# Altium PCB Ethernet2Mil_Adapter_Dual.PcbDoc (part 2 of 5) (continued)
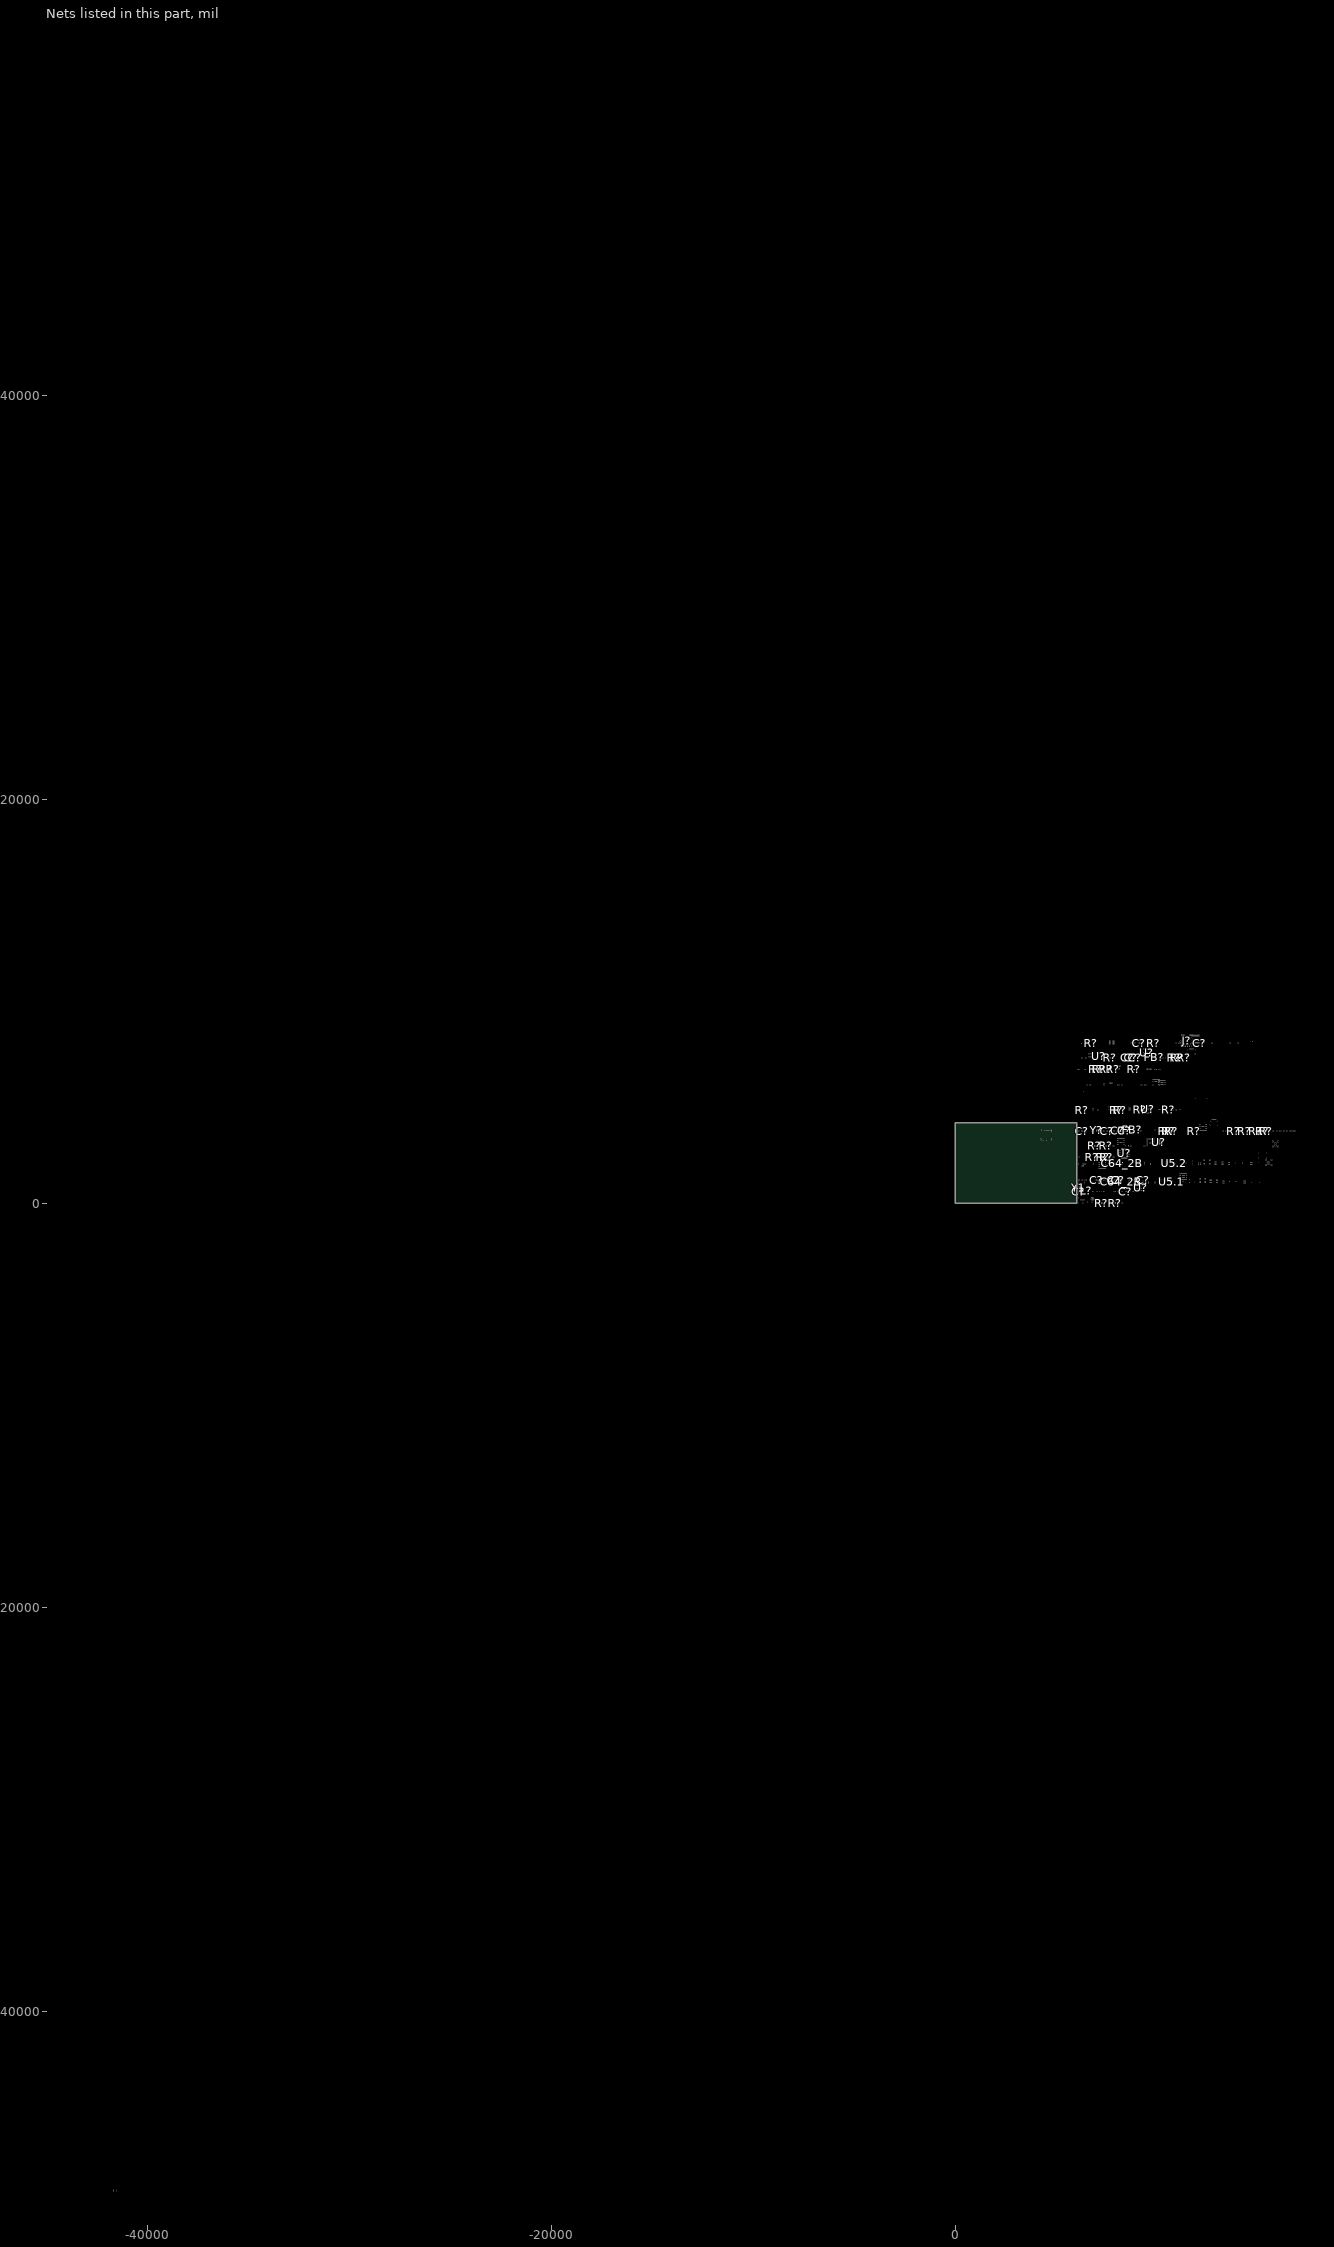
[diagram p2: the nets of this part, all layers, seen from the top]
## Part data (continued)
FB? FB?: library part CMP-08257-000179-1, "Power line Ferrite Bead 600Ω @ 100MHz 1A DCR 0.15Ω SMD 0603", Case Code (Imperial)=0603, Case Code (Metric)=1608, Current Rating=1A, DC Resistance (DCR)=150mR, Max Operating Temperature=125°C, Min Operating Temperature=-55°C, Package Quantity=4000, Test Frequency=100MHz, Tolerance=25%, Case/Package=0603, Core Material=Ferrite, Depth=0.8mm, Height=0.8mm, Impedance=600R, Lead Free="Lead Free", Length=0.063inch, Max DC Current=1A, Mount="Surface Mount", Packaging="Tape and Reel", REACH SVHC="No SVHC", RoHS Compliant=Yes, Series=MPZ, Termination=SMD/SMT, Weight=7.1E-05oz, Width=0.8mm
FD?: library part CMP-00028-00005-2, "Fiducial - Round 1x2mm", Pins=0
IC1.1 IC1.2: "Integrated Circuit", Manufacturer_Name="Texas Instruments", Mouser Part Number=595-UCC27624DR, Supplier Part Number 1=296-UCC27624DRCT-ND, Arrow Part Number=UCC27624DR, Arrow Price/Stock=https://www.arrow.com/en/products/ucc27624dr/texas-instruments?utm_currency=USD&region=nac, Datasheet Link=https://www.ti.com/lit/ds/symlink/ucc27624.pdf?ts=1654150888910&ref_url=https%253A%252F%252Fwww.ti.com%252Fproduct%252FUCC27624, Height=1.75mm, Manufacturer_Part_Number=UCC27624DR, Mouser Price/Stock=https://www.mouser.co.uk/ProductDetail/Texas-Instruments/UCC27624DR?qs=Rp5uXu7WBW%2FHvRoPIZ55DQ%3D%3D, Supplier 1=Digikey
J2_2B J2_2B: library part CMP-12141-47771416-2, "RF Triaxial-BNC Connector, Female, Panel Mount, Board And Panel Mount, Solder Terminal, Jack", Dielectric Material=PTFE, Frequency=500MHz, Housing Color=Silver, Max Operating Temperature=165°C, Min Operating Temperature=-65°C, Voltage Rating=400V, Body Material=Brass, Body Plating=Tin, ComponentLink2Description="Datasheet URL", ComponentLink2URL=https://www.belfuse.com/resources/drawings/cinchconnectivitysolutions/trompeter/dr-ccs-trom-cbbjr79a.pdf, Connector Type="Coaxial, Socket", Contact Material=Gold, Contact Plating=Gold, Fastening Type=Bayonet, Gender=Female, HelpURL=https://www.belfuse.com/resources/drawings/cinchconnectivitysolutions/trompeter/dr-ccs-trom-cbbjr79a.pdf, Max Frequency=500MHz, Mount="Bulkhead, Panel, Through Hole", Number of Contacts=2, Orientation="Right Angle", Radiation Hardening=No, REACH SVHC="No SVHC", RoHS=Compliant, Termination=Solder
J?: library part CMP-002-00119-1, "Pin Header 6 Position 2.54mm Pitch", Manufacturer=Amphenol, Design Item ID=G800W302018EU, Manufacturer Part Number=G800W302018EU, Source=Schematic-Lib-PhilsLab.SchLib
J? J?: library part CMP-002-00162-2, "USB-C connector. Horizontal layout. 5A amp rated.", Manufacturer_Name="Phoenix Contact", Mouser Part Number=651-1332643, Arrow Part Number=1332643, Arrow Price/Stock=https://www.arrow.com/en/products/1332643/phoenix-contact?utm_currency=USD&region=nac, Datasheet Link=http://www.phoenixcontact.com/de/produkte/1332643, Design Item ID=1332643, Height=3.31mm, Manufacturer_Part_Number=1332643, Mouser Price/Stock=https://www.mouser.co.uk/ProductDetail/Phoenix-Contact/1332643?qs=Znm5pLBrcAJhPoOCsTWMGg%3D%3D, Source=SamacSys.SchLib
J?: library part CMP-002-00088-1, "100/1000Base-T Magnetics Single-Port RJ45 Connector with Integrated Magnetics and LEDs", Manufacturer=Hanrun, Design Item ID=HR911130A, Manufacturer Part Number=HR911130A, Source=Schematic-Lib-PhilsLab.SchLib
L?: library part CMP-006-00047-1, "General Purpose Inductor, 3.3uH, 20%, 1 Element, Ferrite-Core, SMD, 0603", Max Current Rating=1.05A, Max Operating Temperature=85°C, Min Operating Temperature=-40°C, Self Resonant Frequency=30MHz, Tolerance=20%, Pins=2, RoHS Compliant=Yes
L?: library part CMP-0007-00001-1, "Semi-shielded Power Inductor, 3.3 uH, +/- 20%, 1.6 A, -40 to 125 degC, 3 x 3 x 1.5 mm SMD, RoHS and Halogen Free, Tape and Reel", Inductance="3.3 uH", Inductance tolerance="+/- 20%", Manufacturer=Bourns, OhmAtFreq="600 Ohm/100MHz", Operating Temperature="-40 to 125 degC", Rated current="1.6 A", Resistance to Solder Heat="+260 degC for 10 sec.", ComponentLink1Description="Manufacturer URL", ComponentLink1URL=http://www.bourns.com/, ComponentLink2Description=Datasheet, ComponentLink2URL=http://www.bourns.com/data/global/pdfs/SRN3015.pdf, ComponentLink3Description="Package Specification", ComponentLink3URL=http://www.bourns.com/data/global/pdfs/SRN3015.pdf, DatasheetVersion=Aug-11, DCR Max="0.112 Ohm", Isat="1.4 A", Mounting Technology="Surface Mount", PackageDescription="2-Pin SMD, Body 3 x 3 mm, Height 1.5 mm", PackageReference=SRN3015, Packing="Tape and Reel", PartNumber=SRN3015-3R3M, RoHS=TRUE, SRF Min="75 MHz"
M?: library part CMP-00028-00009-1, "Mounting holes with 3mm holes."
Q3.1 Q3.2 Q3_2B Q3_2B: library part CMP-013-00035-1, "Small Signal Field-Effect Transistor, 3.7A I(D), 30V, 2-Element, N-Channel, Silicon, Metal-oxide Semiconductor FET", Max Operating Temperature=150°C, Pins=6, RoHS Compliant=Yes
Q? Q?: library part CMP-32901-000434-1, "MOSFET 2P-CH 20V 9A 8-SOIC", Case/Package=SO, Continuous Drain Current (ID)=9A, Drain to Source Breakdown Voltage=-20V, Drain to Source Resistance=26mR, Gate to Source Voltage (Vgs)=12V, Input Capacitance=2.94nF, Max Operating Temperature=150°C, Max Power Dissipation=2W, Min Operating Temperature=-55°C, Threshold Voltage=-1V, Drain to Source Voltage (Vdss)=-20V, Halogen Free="Halogen Free", Height=0.059inch, Lead Free="Lead Free", Length=0.196inch, Max Dual Supply Voltage=-20V, Mount="Surface Mount", Number of Pins=8, Packaging="Tape and Reel", Power Dissipation=2W, Rds On Max=18mR, REACH SVHC="No SVHC", RoHS Compliant=Yes, Turn-Off Delay Time=170ns, Turn-On Delay Time=17ns, Width=0.157inch
Q?: library part CMP-07173-000101-1, "MOSFET N-CH 50V 220MA SOT-23", Case/Package=SOT-23, Continuous Drain Current (ID)=220mA, Drain to Source Breakdown Voltage=50V, Drain to Source Resistance=3.5R, Gate to Source Voltage (Vgs)=20V, Input Capacitance=27pF, Max Operating Temperature=150°C, Max Power Dissipation=360mW, Min Operating Temperature=-55°C, On-State Resistance=6R, Package Quantity=1, Threshold Voltage=1.3V, Contact Plating=Tin, Current Rating=220mA, Drain to Source Voltage (Vdss)=50V, Dual Supply Voltage=50V, Element Configuration=Single, Fall Time=9ns, Height=0.93mm, Lead Free="Lead Free", Length=2.92mm, Mount="Surface Mount", Nominal Vgs=1.3V, Number of Elements=1, Number of Pins=3, Packaging="Tape and Reel", Power Dissipation=360mW, Radiation Hardening=No, Rds On Max=3.5R, REACH SVHC="No SVHC", Rise Time=9ns, Termination=SMD/SMT, Turn-Off Delay Time=20ns, Turn-On Delay Time=2.5ns, Voltage Rating (DC)=50V, Weight=0.03g, Width=1.3mm
Q?: library part CMP-1058-00742-1, "Power MOSFET, 30 V, 2.5 A, Single N-Channel, 3-Pin SOT-23, Pb-Free, Tape and Reel", Manufacturer="On Semiconductor", Package Type=SOT-23-3, Channel Polarity="N Channel", ComponentLink1Description="Manufacturer URL", ComponentLink1URL=http://www.onsemi.com/, ComponentLink2Description=Datasheet, ComponentLink2URL=http://www.onsemi.cn/pub_link/Collateral/NTR4503N-D.PDF, ComponentLink3Description="Package Specification", ComponentLink3URL=http://www.onsemi.cn/pub_link/Collateral/318-08.PDF, Configuration=Single, DatasheetVersion="Rev. 6", ID Max (A)=2.5, Mounting Technology="Surface Mount", PackageDescription="3-Pin Small Outline Transistor, Body 2.92 x 1.3 mm, Pitch 0.95 mm", PackageReference=SOT-23-3-318-08, PackageVersion="Rev. AP, 11/2009", Packing="Tape and Reel", PartNumber=NTR4503NT1G, Qrr Typ (nC)=4, RoHS=Pb-Free, V(BR)DSS Min (V)=30, VGS Max (V)=20, VGS(th) Max (V)=3
R11 R13 R39_1B R39_1B R41_2B R41_2B R43.1 R43.2 R43_1B R43_1B R47.1 R47.2 R? R? R? R?: library part CMP-009-00185-1, "Fixed Resistor, Metal Glaze/thick Film, 0.1W, 4700ohm, 75V, 1% +/-Tol, 100ppm/Cel, Surface Mount, 0603", Case/Package=0603, Max Operating Temperature=155°C, Min Operating Temperature=-55°C, Power=100mW, Resistance="4.7 kΩ", Tolerance=1%, Mounting Technology="Surface Mount", Pins=2, RoHS Compliant=Yes
R32_2B R32_2B R38_1B R38_1B R40.1 R40.2 R41.1 R41.2: library part CMP-009-00006-5, "Chip Resistor, 0 Ohm, 0.1 W, -55 to 155 degC, 0603 (1608 Metric)", Case/Package=0603, Max Operating Temperature=155°C, Min Operating Temperature=-55°C, Power=100mW, Tolerance=5%, Voltage Rating=50V, Mounting Technology=SM, Pins=2, RoHS Compliant=True
R36_2B R36_2B R46.1 R46.2: library part CMP-009-00189-1, "Fixed Resistor, Metal Glaze/thick Film, 0.1W, 22ohm, 75V, 1% +/-Tol, 100ppm/Cel, Surface Mount, 0603", Case/Package=0603, Max Operating Temperature=155°C, Min Operating Temperature=-55°C, Power=100mW, Tolerance=1%, Mounting Technology="Surface Mount", Pins=2, RoHS Compliant=Yes
R37.1 R37.2 R39.1 R39.2: library part CMP-009-00187-2, "Fixed Resistor, Metal Glaze/thick Film, 1W, 0.75ohm, 0.866V, 1% +/-Tol, 100ppm/Cel, Surface Mount, 1210", Case/Package=1210, Max Operating Temperature=155°C, Min Operating Temperature=-55°C, Power=1W, Tolerance=1%, Mounting Technology="Surface Mount", Pins=2, RoHS Compliant=Yes
R53 R? R? R? R? R?: library part CMP-009-00190-1, "Fixed Resistor, Thin Film, 0.063W, 47ohm, 50V, 0.1% +/-Tol, 25ppm/Cel, Surface Mount, 0402", Case/Package=0402, Max Operating Temperature=155°C, Min Operating Temperature=-55°C, Power=63mW, Tolerance=0.1%, Mounting Technology="Surface Mount", Pins=2, RoHS Compliant=Yes
R? R? R?: library part CMP-009-00019-6, "Chip Resistor, 10 KOhm, +/- 1%, 63 mW, -55 to 155 degC, 0402 (1005 Metric)", Case/Package=0402, Max Operating Temperature=155°C, Min Operating Temperature=-55°C, Power=63mW, Tolerance=1%, Voltage Rating=50V, Mounting Technology=SM, Pins=2, RoHS Compliant=True
R? R? R? R? R? R? R? R? R? R? R? R? R? R? R?: library part CMP-009-00164-4, "Chip Resistor, 22 Ohms, +/-5 %, 63 mW, -55 to 155 degC, 0402", Case/Package=0402, Max Operating Temperature=155°C, Min Operating Temperature=-55°C, Power=63mW, Tolerance=5%, Pins=2
R?: library part CMP-009-00200-1, "Fixed Resistor, Metal Glaze/thick Film, 0.0625W, 2490ohm, 50V, 1% +/-Tol, 100ppm/Cel, Surface Mount, 0402", Case/Package=0402, Max Operating Temperature=155°C, Min Operating Temperature=-55°C, Power=62.5mW, Tolerance=1%, Mounting Technology="Surface Mount", Pins=2, RoHS Compliant=Yes
R? R? R? R? R? R?: library part CMP-009-00009-5, "Chip Resistor, 1 KOhm, +/- 1%, 0.1 W, -55 to 155 degC, 0402 (1005 Metric)", Case/Package=0402, Max Operating Temperature=155°C, Min Operating Temperature=-55°C, Power=100mW, Tolerance=1%, Voltage Rating=50V, Mounting Technology=SM, Pins=2, RoHS Compliant=True
R? R? R? R?: library part CMP-009-00212-1, "Res Thick Film 0402 24 Ohm 1% 0.063W(1/16W) ±100ppm/C Pad SMD T/R", Case/Package=0402, Max Operating Temperature=155°C, Min Operating Temperature=-55°C, Tolerance=1%, Voltage Rating=50V, Mounting Technology="Surface Mount"
R?: library part CMP-009-00152-4, "Chip Resistor, 10 Ohms, +/-1 %, 63 mW, -55 to 155 degC, 0402", Case/Package=0402, Max Operating Temperature=155°C, Min Operating Temperature=-55°C, Power=63mW, Tolerance=1%, Pins=2
R? R? R? R?: library part CMP-009-00157-4, "Chip Resistor, 1 kOhms, +/-5 %, 63 mW, -55 to 155 degC, 0402", Case/Package=0402, Max Operating Temperature=155°C, Min Operating Temperature=-55°C, Power=63mW, Tolerance=5%, Pins=2
R? R? R? R? R? R? R?: library part CMP-009-00030-6, "Chip Resistor, 4.7 KOhm, +/- 1%, 0.1 W, -55 to 155 degC, 0402 (1005 Metric)", Case/Package=0402, Max Operating Temperature=155°C, Min Operating Temperature=-55°C, Power=100mW, Tolerance=1%, Voltage Rating=50V, Mounting Technology=SM, Pins=2, RoHS Compliant=True
R? R?: library part CMP-00000-1, "Fixed Resistor, Thin Film, 0.1W, 5100ohm, 50V, 1% +/-Tol, 25ppm/Cel, Surface Mount, 0402", Ambient Temperature Range High=85°C, Case/Package=0402, Max Operating Temperature=155°C, Min Operating Temperature=-55°C, Power Dissipation=63mW, Temperature Coefficient=25ppm/°C, Tolerance=1%, Voltage Rating=50V, Composition="Thin Film", Height=350µm, Lifecycle Status=Production, Mounting Technology="Surface Mount", Number of Terminals=2, Power Rating=63mW, REACH SVHC=Yes, RoHS=Compliant, Width=500µm, Working Voltage=50V
R? R? R? R?: library part CMP-009-00021-6, "Chip Resistor, 100 KOhm, +/- 1%, 0.063 W, -55 to 155 degC, 0402 (1005 Metric)", Case/Package=0402, Max Operating Temperature=155°C, Min Operating Temperature=-55°C, Power=63mW, Tolerance=1%, Voltage Rating=50V, Mounting Technology=SM, Pins=2, RoHS Compliant=True
R? R? R? R?: library part CMP-009-00163-4, "Chip Resistor, 200 kOhms, +/-1 %, 63 mW, -55 to 155 degC, 0402", Case/Package=0402, Max Operating Temperature=155°C, Min Operating Temperature=-55°C, Power=63mW, Tolerance=1%, Pins=2
R? R? R?: library part CMP-009-00185-1, "Fixed Resistor, Metal Glaze/thick Film, 0.1W, 4700ohm, 75V, 1% +/-Tol, 100ppm/Cel, Surface Mount, 0603", Case/Package=0603, Max Operating Temperature=155°C, Min Operating Temperature=-55°C, Power=100mW, Resistance="0 Ω_DNR", Tolerance=1%, Mounting Technology="Surface Mount", Pins=2, RoHS Compliant=Yes
R? R? R?: library part CMP-009-00003-6, "Chip Resistor, 0 Ohm, +/- 5%, 63 mW, -55 to 155 degC, 0402 (1005 Metric)", Case/Package=0402, Max Operating Temperature=155°C, Min Operating Temperature=-55°C, Power=63mW, Tolerance=5%, Voltage Rating=50V, Mounting Technology=SM, Pins=2, RoHS Compliant=True
R? R? R? R?: library part CMP-009-00166-4, "Chip Resistor, 2,2 kOhms, +/-5 %, 63 mW, -55 to 155 degC, 0402", Case/Package=0402, Max Operating Temperature=155°C, Min Operating Temperature=-55°C, Power=63mW, Tolerance=5%, Pins=2
R?: library part CMP-009-00005-6, "Chip Resistor, 0 Ohm, 0.1 W, -55 to 155 degC, 0402 (1005 Metric)", Case/Package=0402, Max Operating Temperature=155°C, Min Operating Temperature=-55°C, Power=100mW, Tolerance=5%, Voltage Rating=50V, Mounting Technology=SM, Pins=2, RoHS Compliant=True
R?: library part CMP-009-00008-6, "Chip Resistor, 0 Ohm, 0.25 W, -55 to 155 degC, 1206 (3216 Metric)", Case/Package=1206, Max Operating Temperature=155°C, Min Operating Temperature=-55°C, Power=0_DNR, Tolerance=0.05%, Voltage Rating=200V, Mounting Technology=SM, Pins=2, RoHS Compliant=True
R? R? R? R? R?: library part CMP-009-00015-6, "Chip Resistor, 10 KOhm, +/- 1%, 0.1 W, -55 to 155 degC, 0402 (1005 Metric)", Case/Package=0402, Max Operating Temperature=155°C, Min Operating Temperature=-55°C, Power=100mW, Tolerance=1%, Voltage Rating=50V, Mounting Technology=SM, Pins=2, RoHS Compliant=True
R? R? R? R? R? R? R?: library part CMP-009-00103-4, "47K5 0.063W 1% 0402 (1005 Metric)  SMD", Case/Package=0402, Power=63mW, Tolerance=1%, Mounting Technology=SMT, Pins=2
R?: library part CMP-009-00137-4, "Chip Resistor, 47,5 kOhms, +/-1 %, 63 mW, -55 to 155 degC, 0402", Case/Package=0402, Max Operating Temperature=155°C, Min Operating Temperature=-55°C, Power=63mW, Tolerance=1%, Pins=2
R?: library part CMP-009-00167-4, "Chip Resistor, 100 Ohms, +/-1 %, 63 mW, -55 to 155 degC, 0402", Case/Package=0402, Max Operating Temperature=155°C, Min Operating Temperature=-55°C, Power=63mW, Tolerance=1%, Pins=2
R? R? R? R?: library part CMP-2000-00179-1, Manufacturer=Panasonic, Part Number=ERJ-3EKF1000V
R?: library part CMP-2100-03667-1, "Chip Resistor, 0 Ohm, +/- 5%, 0.1 W, -55 to 155 degC, 0603 (1608 Metric), RoHS, Tape and Reel", Case Code (Imperial)=0603, Case Code (Metric)=1608, Manufacturer=Yageo, Max Operating Temperature=155degC, Min Operating Temperature=-55degC, Package Description="2-Pin Surface Mount Device, Body 1.6 x 0.8 mm", Package Quantity=5000, Power Rating=100mW, Resistance="680 Ω", Temperature Coefficient=200ppm/degreesC, Tolerance=5%, Voltage Rating=50V, Case/Package=0603, Composition=ThickFilm, Contact Plating=Tin, Datasheet URL=http://www.yageo.com/NewPortal/yageodocoutput?fileName=/pdf/R-Chip/PYu-RC_Group_51_RoHS_L_5.pdf, Datasheet Version="Rev. 5, 10/2016", Depth=0.8mm, Height=0.45mm, Lead Free=LeadFree, Length=1.6mm, Manufacturer URL=http://www.yageo.com/, Military Standard=Not, Number of Pins=2, Package Reference=0603, Packaging=TapeandReel, Radiation Hardening=No, REACH SVHC=NoSVHC, RoHSCompliant=true, Termination=SMD/SMT, Voltage Rating (DC)=50V, Width=0.8mm
R? R?: library part CMP-009-00202-1, "Fixed Resistor, Metal Glaze/thick Film, 0.0625W, 510ohm, 50V, 1% +/-Tol, 100ppm/Cel, Surface Mount, 0402", Case/Package=0402, Max Operating Temperature=155°C, Min Operating Temperature=-55°C, Power=62.5mW, Tolerance=1%, Mounting Technology="Surface Mount", Pins=2, RoHS Compliant=Yes
R?: library part CMP-1659-00036-1, "General Purpose Chip Resistor, 49.9 Ohm, +/- 1%, -55 to 155 degC, 0603 (1608 Metric), RoHS, Tape and Reel", Case\Package=LQFP, Max Operating Temperature="85 degC", Max Supply Voltage="3.63 V", Min Operating Temperature="-40 degC", Min Supply Voltage="2.97 V", Package Quantity=250, Tolerance=1%, ComponentLink1Description="Manufacturer URL", ComponentLink1URL=http://www.yageo.com/, ComponentLink2Description=Datasheet, ComponentLink2URL=https://datasheet.ciiva.com/11808/0900766b80f96399-11808223.pdf, DatasheetVersion="Rev. 4, 04/2009", Interface=SPI, PackageDescription="2-Pin Surface Mount Device, Body 1.6 x 0.8 mm", PackageReference=0603, Packaging=Tray, Pins=48, RoHSCompliant=true
R?: library part CMP-009-00203-1, "Res Thick Film 0402 523K Ohm 1% 1/16W 100ppm/C Molded SMD SMD Paper Tape on Plastic Reel", Case/Package=0402, Max Operating Temperature=155°C, Min Operating Temperature=-55°C, Tolerance=1%, Voltage Rating=50V, Mounting Technology="Surface Mount"
R?: library part CMP-009-00000-6, "Chip Resistor, 51 KOhm, +/- 5%, 0.063 W, -55 to 155 degC, 0402 (1005 Metric)", Case/Package=0402, Max Operating Temperature=155°C, Min Operating Temperature=-55°C, Power=63mW, Tolerance=5%, Mounting Technology=SM, Pins=2, RoHS Compliant=True
R?: library part CMP-009-00207-1, "Res Thick Film 0402 1.13M Ohm 1% 0.063W(1/16W) ±100ppm/C Pad SMD T/R Automotive", Case/Package=0402, Max Operating Temperature=155°C, Min Operating Temperature=-55°C, Tolerance=1%, Voltage Rating=50V, Mounting Technology="Surface Mount", Pins=2
R?: library part CMP-009-00138-4, "Chip Resistor, 2 kOhms, +/-5 %, 63 mW, -55 to 155 degC, 0402", Case/Package=0402, Max Operating Temperature=155°C, Min Operating Temperature=-55°C, Power=63mW, Tolerance=5%, Pins=2
R?: library part CMP-009-00173-4, "Chip Resistor, 12 kOhms, +/-1 %, 63 mW, -55 to 155 degC, 0402", Case/Package=0402, Max Operating Temperature=155°C, Min Operating Temperature=-55°C, Power=63mW, Tolerance=1%, Pins=2
R?: library part CMP-009-00082-3, "22R 0.063W 5% 0402 (1005 Metric)  SMD", Case/Package=0402, Power=63mW, Tolerance=5%, Mounting Technology=SMT, Pins=2
R?: library part CMP-009-00019-7, "Chip Resistor, 10 KOhm, +/- 1%, 63 mW, -55 to 155 degC, 0402 (1005 Metric)", Case/Package=0402, Max Operating Temperature=155°C, Min Operating Temperature=-55°C, Power=63mW, Tolerance=1%, Voltage Rating=50V, Mounting Technology=SM, Pins=2, RoHS Compliant=True
R?: library part CMP-009-00161-4, "Chip Resistor, 200 Ohms, +/-5 %, 63 mW, -55 to 155 degC, 0402", Case/Package=0402, Max Operating Temperature=155°C, Min Operating Temperature=-55°C, Power=63mW, Tolerance=5%, Pins=2
SKT?: library part CMP-002-00049-3, "Micro SD Card Connector, Pitch 1.1 mm, 8 Position, Height 1.4 mm, -25 to 85 degC, RoHS, Tape and Reel", Pins=14
T1.1 T1.2: library part CMP-012-00001-4, "Pulse Transformer, GENERAL PURPOSE Application(s), 1CT:1.41CT", Case/Package=THT, Max Operating Temperature=130°C, Min Operating Temperature=-55°C, Pin Width Tolerance="0.050 mm", Mounting Technology="Through Hole", Pin Width="0.51 mm", Pins=6, Turns Ratio=1:1.41
TP? TP? TP? TP? TP? TP?: library part CMP-00028-00002-2, "0.6mm round", Pins=1
TP?: library part CMP-00030-00005-1, "A 0.6mm square test point that is specifically designed to be a ground connection and stand out from the other signals."
U4.1 U4.2: library part CMP-2000-07604-2, "IC REG LINEAR 3.3V 300MA SOT23-5", Case/Package=SOT-23-5, Dropout Voltage=380mV, Max Input Voltage=5.5V, Max Operating Temperature=125°C, Max Output Current=300mA, Min Input Voltage=2.5V, Min Operating Temperature=-40°C, Nominal Output Voltage=3.3V, Operating Supply Current=42uA, Power Supply Rejection Ratio (PSRR)=60dB, Quiescent Current=38uA, Accuracy=3%, Height=1.1mm, Length=2.9mm, Mount="Surface Mount", Number of Outputs=1, Number of Pins=5, Output Current=300mA, Output Type=Fixed, Output Voltage=3.3V, Packaging="Tape and Reel", REACH SVHC="No SVHC", Width=1.6mm
U5.1 U5.2: library part CMP-015-00008-1, "Line Transceiver, 1 Func, 1 Driver, 1 Rcvr, CMOS, PDSO12", Case/Package=HVSON, Max Operating Temperature=85°C, Max Supply Voltage=5.5V, Min Operating Temperature=-40°C, Min Supply Voltage=3V, Nominal Supply Voltage=3.3V, ComponentLink1Description="Datasheet Link", ComponentLink1URL=https://www.analog.com/media/en/technical-documentation/data-sheets/2862345fc.pdf, Pins=12, RoHS Compliant=Yes
U?: library part CMP-016-00010-1, "Serial I/O Controller, 4 Channel(s), 1.5MBps, CMOS, PQFP64", Case/Package=LFQFP, Max Operating Temperature=85°C, Max Supply Voltage=1.98V, Min Operating Temperature=-40°C, Min Supply Voltage=1.62V, Nominal Supply Voltage=1.8V, Pins=64, RoHS Compliant=Yes
U?: library part CMP-019-00053-1, "3 rail simple power sequencer with adjustable time delay 8-VSSOP -40 to 125", Case/Package=VSSOP, Max Operating Temperature=125°C, Max Supply Voltage=5.5V, Min Operating Temperature=-40°C, Min Supply Voltage=2.7V, Nominal Supply Current=80µA, Output Current=1nA, Mounting Technology="Surface Mount", Pins=8
U? U? U? U? U? U? U? U? U? U?: library part CMP-0383-00006-1, "Artix-7 FPGA, 106 User I/Os, 2 GTP, 238-Ball BGA, Speed Grade 1, Commercial Grade, Pb-Free", Manufacturer=Xilinx, Operating Temperature Range=Commercial, Available User I/O=106, CMTs=5, ComponentLink1Description="Manufacturer URL", ComponentLink1URL=http://www.xilinx.com/, ComponentLink2Description=Datasheet, ComponentLink2URL=http://www.xilinx.com/support/documentation/data_sheets/ds180_7Series_Overview.pdf, ComponentLink3Description=Pinout, ComponentLink3URL=http://www.xilinx.com/support/documentation/user_guides/ug475_7Series_Pkg_Pinout.pdf, ComponentLink4Description="Package Specification", ComponentLink4URL=http://www.xilinx.com/support/documentation/user_guides/ug475_7Series_Pkg_Pinout.pdf, DatasheetVersion="Rev. 1.15", GTP=2, Logic Cells=33280, Maximum Distributed RAM="400 Kb", Mounting Technology="Surface Mount", PackageDescription="238-Ball Wire-Bond Chip-Scale BGA, Body 10 x10 mm, Pitch 0.5 mm", PackageReference=CPG-236, PackageVersion="Rev. 1.11", PartNumber=XC7A35T-1CPG236C, Speed Grades=1, Total Block RAM="1800 Kb"
  U?: ComponentLink5Description="Mouser Link", ComponentLink5URL=https://www.mouser.com/ProductDetail/AMD-Xilinx/XC7A35T-1CPG236C?qs=rrS6PyfT74dN8MpbG%2FkjTw%3D%3D&utm_source=octopart&utm_medium=aggregator&utm_campaign=217-XC7A35T-1CPG236C&utm_content=AMD
U?: library part CMP-049-000049-1, "INTEGRATED 10/100/1000M ETHERNET PRECISION TRANSCEIVER", Manufacturer=Realtek, Design Item ID=RTL8211F-CG, Manufacturer Part Number=RTL8211F-CG, Source=Schematic-Lib-PhilsLab.SchLib
U? U? U?: library part CMP-006-00049-1, "2.25-V to 5.5-V, 3-A, low-noise step-down module with integrated inductor in QFN package 9-QFN-FCMOD -40 to 125", Manufacturer_Name="Texas Instruments", ComponentLink1Description="New link", Copyright="Copyright (C) 2025 Ultra Librarian. All rights reserved.", Datasheet=https://www.ti.com/lit/gpn/tpsm828303, Design Item ID=XPSM828303ARDSR, Manufacturer_Part_Number=XPSM828303ARDSR, RefDes=RefDes, Source=XPSM828303ARDSR.SchLib, TYPE=TYPE
U?: library part CMP-049-000093-2, "USB Type-C Port Controller for Power Sinks", Manufacturer="Cypress Semicon", Design Item ID=CYPD3177-24LQXQ, Distributor Link=https://www.lcsc.com/product-detail/USB-ICs_Cypress-Semicon-CYPD3177-24LQXQ_C2959321.html, Manufacturer Part Number=CYPD3177-24LQXQ
U?: library part CMP-0513-00068-2, Ambient Temperature Range High=85°C, Case/Package=BGA, Max Supply Voltage=3.6V, Min Operating Temperature=-40°C, Min Supply Voltage=2.4V, Nominal Supply Current=40mA, Access Time=10ns, Address Bus Width=19b, Density=4Mb, Height=1.2mm, Interface=Parallel, Max Operating Temperature=85°C, Memory Size=512kB, Memory Type=SRAM, NexarPartId=11886108, Number of Pins=36, Number of Ports=1, Number of Words=512000, Radiation Hardening=No, RoHS=Compliant, Schedule B="8542320040, 8542320040", Sync/Async=Asynchronous, Word Size=8b
U?: library part CMP-0162-00077-1, "2K, 128x16-bit, 2.5V Microwire Serial EEPROM, 8-Pin SOIC 150mil, Industrial Temperature", Code_IPC=SOIC127P600-8, Code_JEDEC=MS-012, ComponentLink1Description="Datasheet URL", ComponentLink1URL=https://ww1.microchip.com/downloads/en/DeviceDoc/21794G.pdf, DatasheetVersion="revF, May-2008", PackageDescription="8-Lead Plastic Small Outline (SN) - Narrow, 3.90mm Body [SOIC]", PackageReference=SOIC-SN8, PackageVersion="revBB, Aug-2009"
U?: library part CMP-2000-05766-2, "DGT ISOL 2500VRMS 2CH USB 16SOIC", Case/Package=SOIC, Isolated Power=No, Isolation Voltage=2.5kV, Max Input Current=8mA, Max Operating Temperature=105°C, Max Supply Voltage=5.5V, Min Operating Temperature=-40°C, Min Supply Voltage=4V, Nominal Supply Current=6mA, Package Quantity=47, Channel Type=Bidirectional, Contact Plating=Tin, Data Rate=12Mbps, Depth=2.35mm, Lead Free="Contains Lead", Length=10.5mm, Mount="Surface Mount", Number Of Channels=2, Number of Input Lines=2, Number of Pins=16, Packaging=Rail/Tube, Propagation Delay=70ns, REACH SVHC="No SVHC", Rise Time=1ms, Turn-On Delay Time=70ns, Width=7.6mm
X?: library part CMP-003-00015-2, "Ceramic SMD Crystal, 12 MHz, +/- 20 ppm, 18 pF, -20 to 70 degC, 4-Pin SMD, RoHS, Tape and Reel", Case/Package=CSMD, Frequency=12MHz, Frequency Tolerance=20ppm, Load Capacitance=18pF, Manufacturer=Abracon, Max Operating Temperature=70°C, Min Operating Temperature=-20°C, Package Description="4-Pin Surface Mount Device, Body 5 x 3.2 mm", Package Quantity=1000, Package Reference=ABM3B, Resistance=70Ohm, Datasheet URL=http://www.abracon.com/Resonators/abm3b.pdf, Datasheet Version=Aug-15, ESR=70, Manufacturer URL=http://www.abracon.com/, Mounting Technology=SM, Packaging=TapeandReel, Pins=4, RoHS Compliant=True, Tolerance=20ppm
Y1: library part CMP-27762-002611-1, "MEMS Oscillator 12MHz ±50ppm LVCMOS 3.3V SMD 2.5x2mm", Case/Package=SMD/SMT, Frequency=12MHz, Frequency Stability=50ppm, Load Capacitance=15pF, Max Operating Temperature=85°C, Max Supply Current=10mA, Max Supply Voltage=3.6V, Min Operating Temperature=-40°C, Min Supply Voltage=3V, Operating Frequency="12 MHz", Operating Supply Voltage=3.3V, Package Quantity=1000, Height=0.035inch, Lead Free="Lead Free", Length=0.098inch, Mount="Surface Mount", Number of Pins=4, Packaging="Tape and Reel", RoHS Compliant=Yes, Series="Pure Silicon™ ASDM", Termination=SMD/SMT, Width=0.079inch
Y?: library part CMP-029-000000-1, "25 MHz XO (Standard) HCMOS Oscillator 1.6V ~ 3.6V Enable/Disable 4-SMD, No Lead", Package="ECS-2520MV-0-4 ECS", Check_prices=https://www.snapeda.com/parts/ECS-2520MV-250-BN-TR/ECS/view-part/?ref=eda, Component Type=Standard, Design Item ID=ECS-2520MV-250-BN-TR, MF="ECS Inc.", MP=ECS-2520MV-250-BN-TR, Pin Count=4, SnapEDA_Link=https://www.snapeda.com/parts/ECS-2520MV-250-BN-TR/ECS/view-part/?ref=snap, Source=ECS-2520MV-250-BN-TR.SchLib

## Via types
v1: diameter 19.68, hole 7.87, Top Layer to Bottom Layer, 12 vias
v2: diameter 23.62, hole 9.84, Top Layer to Bottom Layer, 9 vias
v3: diameter 177.17, hole 118.11, Top Layer to Bottom Layer, 1 vias

## Nets (pads, with @x,y where several pads share a name; then routed paths per layer and width w, separated by ;. In a path a pad name is that pad's centre, name@x,y a point inside that pad or via, vN(x,y) a via of type N, cw(c..) or ccw(c..) an arc to the next point about the centre after c; other vN are vias at no path point)
+1.0V_Eth: C?.2@6297.56,3580 C?.2@7534.61,3580 C?.2@7889.61,1150 C?.2@8049.61,3585 C?.2@8389.61,3585 C?.2@8549.61,7195 C?.2@8909.61,7205 C?.2@9129.61,7930 L?.2@6501.57,630 U?.3@9969.53,3074.37 U?.8@9969.53,2995.63 U?.28@10160.47,3074.37 U?.38@10025.63,3130.47
+1.8V_Eth: C?.2@7009.61,1150 C?.2@8072.56,1150 C?.2@8449.61,585 C?.2@12104.61,7925 FB?.2@8750,3696.18 R?.2@6909.69,2845 R?.2@7134.69,6630 R?.2@7934.69,20 R?.2@8854.69,6630 R?.2@9159.69,4625 R?.2@11344.69,7205 U?.21@10160.47,2964.13 Y?.1 Y?.4
+3.3V_Eth: C?.2@6124.61,585 C?.2@9322.56,1150 FB?.2@9835,7276.18 J?.11 J?.14 R?.2@11824.69,3575 R?.2@14889.69,3580
+5: C64_2B.2 C?.2@8725.35,7205 U5.1.12 U5.2.12 U?.8@7192.52,7355
BANK_34_VREF_0: R?.2@10579.69,4640 U?.W3@9387.2,4472.83
BANK_34_VREF_1: U?.V7@9465.94,4492.52
CFG_CLK: U?.C11@9479.68,7602.8
CLK_12M_a: R?.1@7637.44,7200 Y1.3
CLK_12M_b: R?.2@7692.56,7200 U?.L17@9297.8,755.32
EEP_CLK_$A: R?.1@6252.28,4610 U?.62
EEP_CLK_$B: R?.1@10355.32,3580 R?.2@6287.72,4610 U?.2@7007.48,7305
EEP_CS: R?.1@7965.32,4610 U?.1@7007.48,7355 U?.63
EEP_DI: R?.2@9832.72,7920 U?.3@7007.48,7255 U?.61
EEP_DO: R?.1@7290.32,2290 R?.1@9797.28,7920 U?.4@7007.48,7205
Eth_CLK_OUT_125M_0: R?.2@15227.72,3580 U?.35@10072.87,3130.47
Eth_CLK_OUT_125M_1: R?.1@15192.28,3580
Eth_EXT_CLK_12M_0: R?.1@15362.28,3580 Y?.3
Eth_EXT_CLK_12M_1: U?.37@10041.38,3130.47
Eth_EXT_CLK_12M_2: R?.2@15397.72,3580
Eth_EXT_RST_3.3V: U?.12@10009.88,2939.53
Eth_INTB_PMEB: U?.31@10135.87,3130.47
Eth_LED0/CFG_EXT: R?.1@11785.32,3575 R?.2@7476.73,6640 U?.32@10120.12,3130.47
Eth_LED1/CFG_LDO0: R?.2@10564.69,3580 U?.33@10104.37,3130.47
Eth_LED1/CFG_LDO1: R?.1@14850.32,3580 R?.2@11001.73,7205 U?.34@10088.62,3130.47
Eth_LED_G: J?.12 R?.1@7443.27,6640
Eth_LED_Y: J?.13 R?.1@10968.27,7205
Eth_MDC: R?.1@8815.32,6630 U?.13@10025.63,2939.53
Eth_MDI0_N: J?.3@11580.2,7785 U?.2@9969.53,3090.12
Eth_MDI0_P: J?.2@11630.2,7885 U?.1@9969.53,3105.87
Eth_MDI1_N: J?.4@11530.2,7885 U?.5@9969.53,3042.87
Eth_MDI1_P: J?.7 U?.4@9969.53,3058.62
Eth_MDI2_N: J?.6@11430.2,7885 U?.7@9969.53,3011.38
Eth_MDI2_P: J?.5@11480.2,7785 U?.6@9969.53,3027.13
Eth_MDI3_N: J?.9 U?.10@9969.53,2964.13
Eth_MDI3_P: J?.8 U?.9@9969.53,2979.88
Eth_MDIO: R?.1@7095.31,6630 U?.14@10041.38,2939.53
Eth_REG_OUT/LDO_OUT: L?.1@6448.43,630 U?.30@10160.47,3105.87
Eth_RSET: R?.2@13781.73,3575 U?.39@10009.88,3130.47
Eth_RX_C_PHY_0: R?.2@6952.72,6640 U?.27@10160.47,3058.62
Eth_RX_PHY_CTL_4: R?.2@14337.72,3575 U?.26@10160.47,3042.87
Eth_RXC_PHYAD1: R?.1@6917.28,6640 R?.2@10734.69,3580
Eth_RXCTL/PHYAD2: R?.1@14302.28,3575 R?.2@6749.69,7925
Eth_RXD_0: R?.1@7432.28,2845 R?.1@9120.32,4625
Eth_RXD_1: R?.1@8132.28,4605 R?.1@11305.32,7205
Eth_RXD_2: R?.1@6762.28,2290 R?.1@7895.32,20 R?.2@7839.69,6640
Eth_RXD_3/PHYAD0: R?.1@6870.31,2845 R?.1@7457.28,2290
Eth_RXD_PHY_0: R?.2@7467.72,2845 U?.25@10160.47,3027.13
Eth_RXD_PHY_1: R?.2@8167.72,4605 U?.24@10160.47,3011.38
Eth_RXD_PHY_2: R?.2@6797.72,2290 U?.23@10160.47,2995.63
Eth_RXD_PHY_3: R?.2@7492.72,2290 U?.22@10160.47,2979.88
Eth_TX_C: R?.1@7217.28,20
Eth_TX_CTL: R?.1@10797.28,7205
Eth_TX_PHY_C: R?.2@7252.72,20 U?.20@10135.87,2939.53
Eth_TX_PHY_CTL: R?.2@10832.72,7205 U?.19@10120.12,2939.53